# Altium PCB LimeSDR-X3_1v2.PcbDoc (part 5 of 25) (continued)
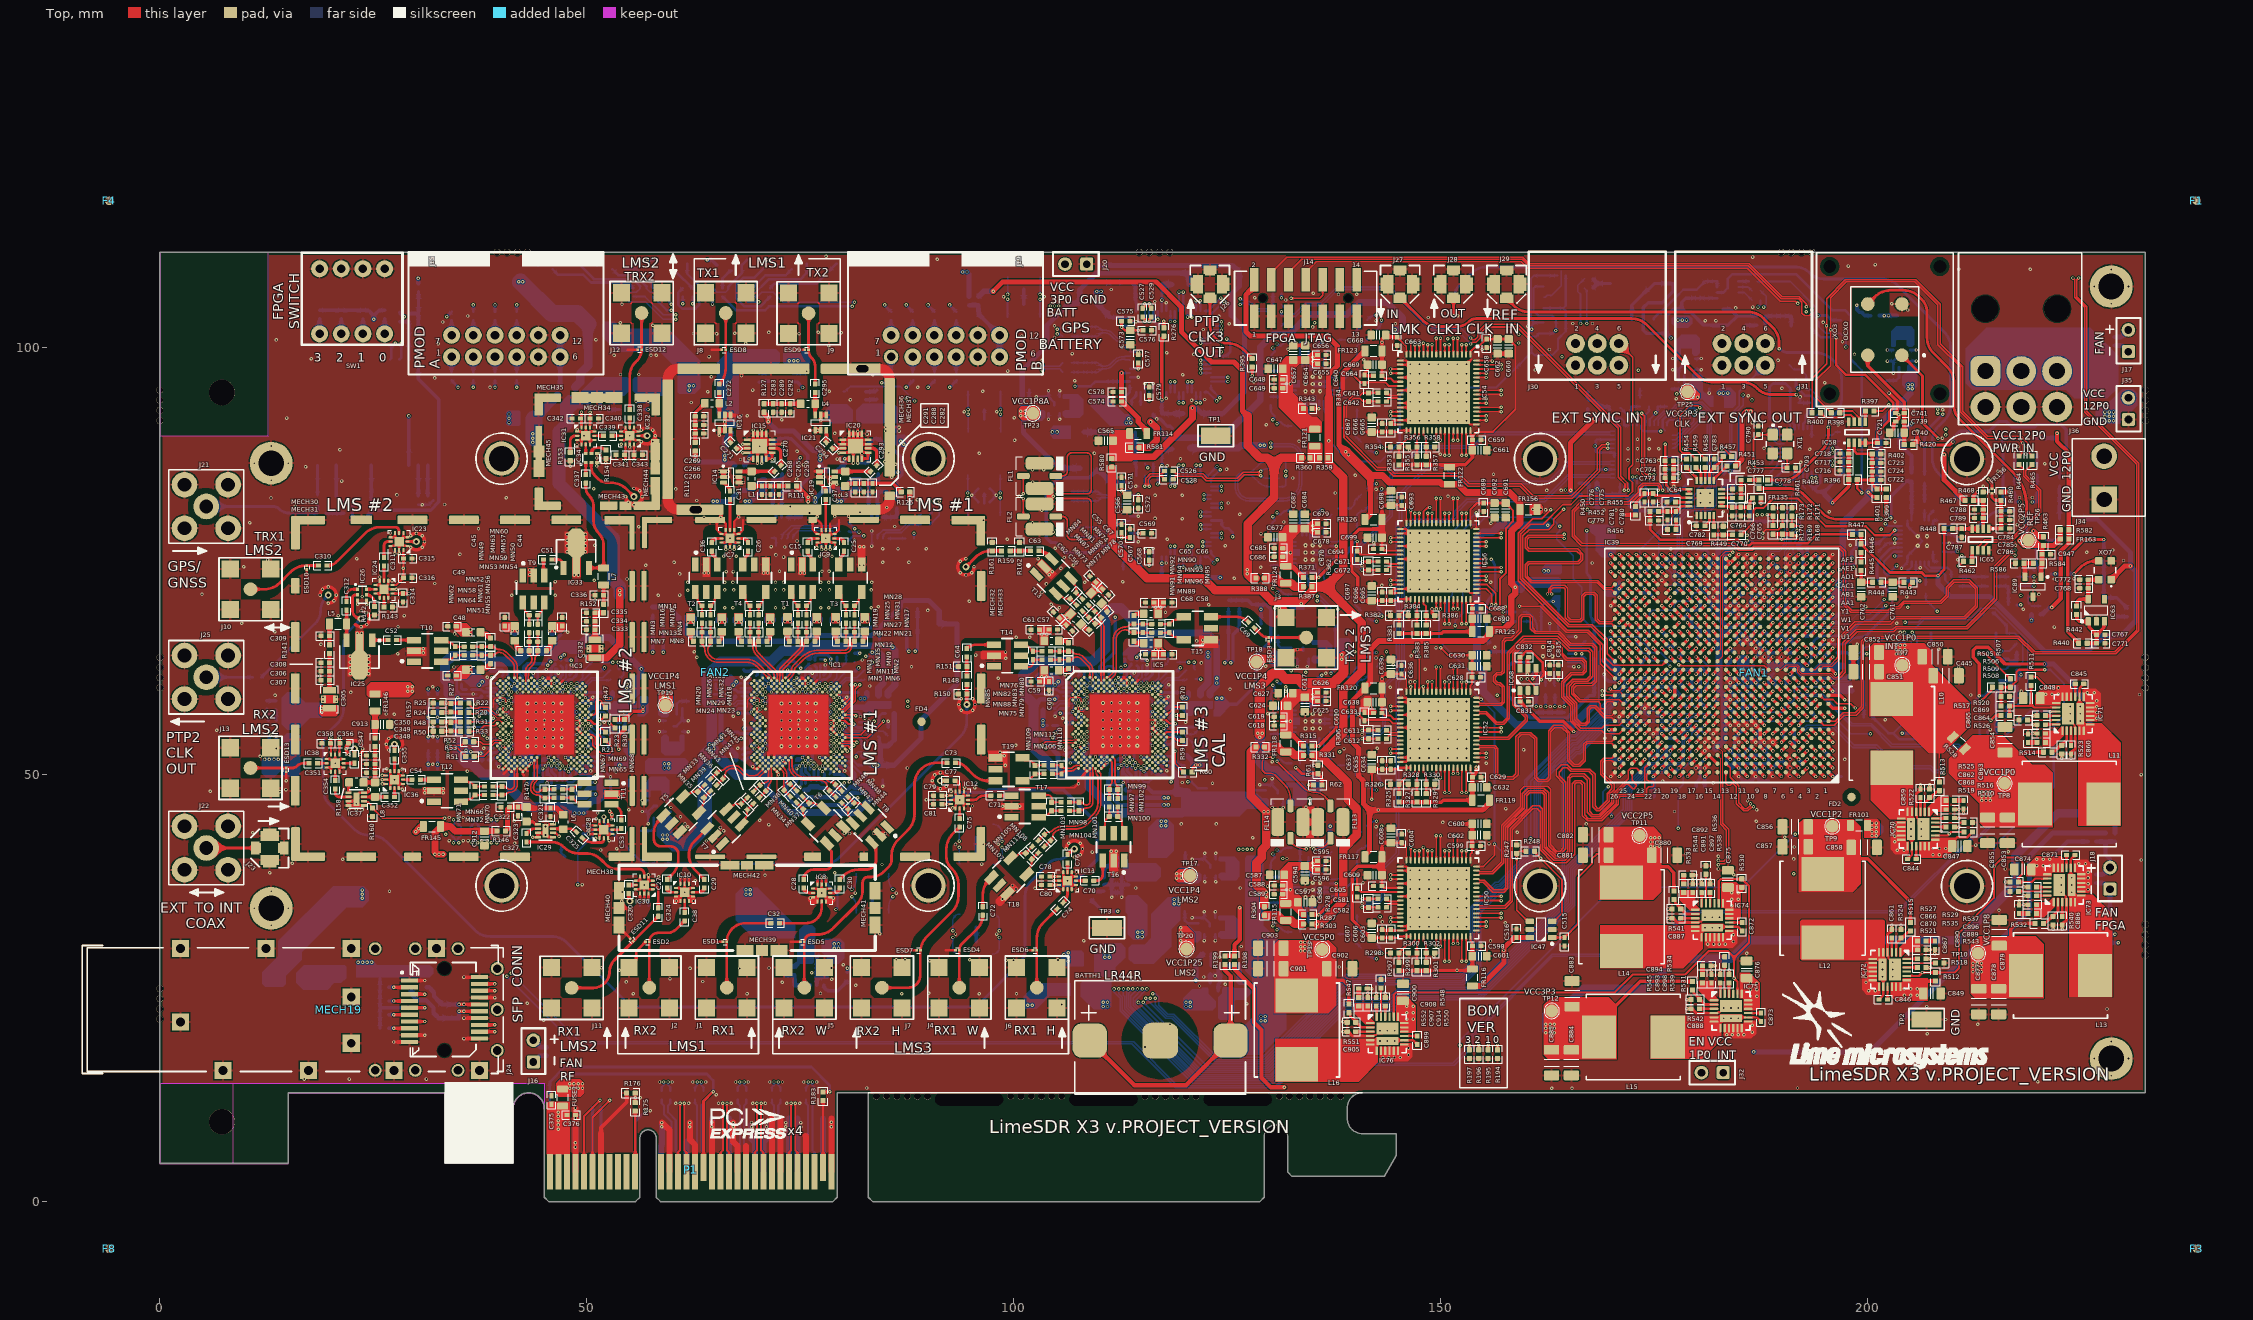
[diagram p0: Top view]
## Part data (continued)
C847 C848 C849 C874 C875 C876 C900: library part Cap_0805, Capacitance=10uF, Case/Package=0805, Case Code (Metric)=2012, Dielectric=X5R, Manufacturer=Yageo, Manufacturer Part Number 1=CC0805KKX5R8BB106, Max Operating Temperature=85°C, Min Operating Temperature=-55°C, Resistor Type=Ceramic, Supplier Part Number 1=311-1869-1-ND, Tolerance=10%, Voltage Rating=25V, Case Code (Imperial)=0805, ComponentLink1Description=http://www.mouser.com/ds/2/447/UPY-GPHC_X5R_4V-to-50V_25-1131599.pdf?src-supplier=Mouser, ComponentLink1URL=http://www.mouser.com/ds/2/447/UPY-GPHC_X5R_4V-to-50V_25-1131599.pdf?src-supplier=Mouser, ComponentLink2Description=http://www.yageo.com/documents/recent/UPY-GPHC_X5R_4V-to-50V_25.pdf?src-supplier=Digi-Key, ComponentLink2URL=http://www.yageo.com/documents/recent/UPY-GPHC_X5R_4V-to-50V_25.pdf?src-supplier=Digi-Key, Depth=1.25mm, Halogen Free="Halogen Free", Lead Free="Lead Free", Length=0.079inch, Mount="Surface Mount", Packaging="Tape and Reel", Part Description="10 µF ±10% 25V Ceramic Capacitor X5R 0805 (2012 Metric)", Pricing 1="1=0,31000, 10=0,21200, 50=0,14820, 100=0,12710, 500=0,09534, 1000=0,08050 (USD)", RoHS=Yes, RoHS Compliant=Yes, Series=CC, Stock 1=454218, Supplier 1=Digi-Key, Termination=SMD/SMT, Thickness=0.057inch, Voltage Rating (DC)=25V, Weight=0.000194oz, Width=0.049inch
C863 C865 C867: library part Cap_0402, Capacitance=1500pF, Manufacturer="Samsung Electro-Mechanics America, Inc.", Manufacturer Part Number 1=CL05B152KB5NNNC, Operating Temperature="-55°C ~ 125°C", Package / Case="0402 (1005 Metric)", Ratings=-, Supplier Part Number 1=1276-1521-1-ND, Temperature Coefficient=X7R, Tolerance=±10%, Voltage - Rated=50V, Applications="General Purpose", Category=Capacitors, Features=-, Height - Seated (Max)=-, Lead Spacing=-, Lead Style=-, Mounting Type="Surface Mount, MLCC", Packaging="Cut Tape (CT)", Part Description="1500pF ±10% 50V Ceramic Capacitor X7R 0402 (1005 Metric)", RoHS="RoHS Compliant", Size / Dimension="0.039\" L x 0.020\" W (1.00mm x 0.50mm)", Supplier 1=Digi-Key, Thickness (Max)="0.022\" (0.55mm)"
C877 C878 C879 C880 C881 C885 C903: library part Cap_1206, Capacitance Tolerance="± 20%", Ceramic Capacitor Case="1206 [3216 Metric]", Manufacturer=MURATA, Manufacturer Part Number 1=GRM31CR60J107ME39L., Supplier Part Number 1=1735535, Voltage Rating=6.3, Part Description="SMD Multilayer Ceramic Capacitor, 1206 [3216 Metric], 100 µF, 6.3 V, ± 20%, X5R, GRM Series", Supplier 1=Farnell
  C885 C903: Assembly Info=NF
C889: library part Cap_0402, Capacitance=8.2pF, Case/Package=0402, Case Code (Metric)=1005, Dielectric=C0G, Manufacturer=Samsung, Manufacturer Part Number 1=CL05C8R2DB5NNNC, Max Operating Temperature=125°C, Min Operating Temperature=-55°C, Package Quantity=1, Supplier Part Number 1=1276-1730-1-ND, Voltage Rating=50V, Case Code (Imperial)=0402, ComponentLink1Description=https://media.digikey.com/pdf/Data%20Sheets/Samsung%20PDFs/CL_Series_MLCC_ds.pdf?src-supplier=Digi-Key, ComponentLink1URL=https://media.digikey.com/pdf/Data%20Sheets/Samsung%20PDFs/CL_Series_MLCC_ds.pdf?src-supplier=Digi-Key, ComponentLink2Description=https://produktinfo.conrad.com/datenblaetter/450000-474999/458790-da-01-en-VS_KONDENSATOR_0402.pdf?src-supplier=Conrad, ComponentLink2URL=https://produktinfo.conrad.com/datenblaetter/450000-474999/458790-da-01-en-VS_KONDENSATOR_0402.pdf?src-supplier=Conrad, Depth=0.5mm, Height=0.5mm, Length=1mm, Material=Ceramic, Mount="Surface Mount", Packaging="Tape and Reel", Part Description="8.2pF ±0.5pF 50V Ceramic Capacitor C0G, NP0 0402 (1005 Metric)", Pricing 1="1=0.1, 10=0.052, 100=0.0233, 500=0.01664, 1000=0.01307, 2500=0.01188, 5000=0.01093 (USD)", Radiation Hardening=No, Stock 1=852884, Supplier 1=Digi-Key, Thickness=0.022inch, Voltage Rating (DC)=50V, Width=0.02inch
C907: library part Cap_0402, Manufacturer="Samsung Electro-Mechanics America, Inc.", Manufacturer Part Number 1=CL05C2R2CB5NNNC, Operating Temperature="-55°C ~ 125°C", Package / Case="0402 (1005 Metric)", Ratings=-, Supplier Part Number 1=1276-1271-1-ND, Temperature Coefficient="C0G, NP0", Tolerance=±0.25pF, Voltage - Rated=50V, Applications="General Purpose", Capacitance=2.2pF, Category=Capacitors, Features=-, Height - Seated (Max)=-, Lead Spacing=-, Lead Style=-, Mounting Type="Surface Mount, MLCC", Packaging="Cut Tape (CT)", Part Description="2.2pF ±0.25pF 50V Ceramic Capacitor C0G, NP0 0402 (1005 Metric)", RoHS="RoHS Compliant", Size / Dimension="0.039\" L x 0.020\" W (1.00mm x 0.50mm)", Supplier 1=Digi-Key, Thickness (Max)="0.022\" (0.55mm)"
C924 C925 C926: library part Cap_0402, Capacitance=16pF, Case/Package=0402, Case Code (Metric)=1005, Dielectric=C0G, Manufacturer=Yageo, Manufacturer Part Number 1=CC0402JRNPO9BN160, Max Operating Temperature=125°C, Min Operating Temperature=-55°C, Resistor Type=Ceramic, Supplier Part Number 1=311-1662-1-ND, Tolerance=5%, Voltage Rating=50V, Case Code (Imperial)=0402, ComponentLink1Description=http://www.mouser.com/ds/2/447/Yageo_UPY-GP_NP0_16V-to-50V_9-358835.pdf?src-supplier=Mouser, ComponentLink1URL=http://www.mouser.com/ds/2/447/Yageo_UPY-GP_NP0_16V-to-50V_9-358835.pdf?src-supplier=Mouser, ComponentLink2Description=http://www.yageo.com/documents/recent/UPY-GP_NP0_16V-to-50V_16.pdf?src-supplier=Digi-Key, ComponentLink2URL=http://www.yageo.com/documents/recent/UPY-GP_NP0_16V-to-50V_16.pdf?src-supplier=Digi-Key, Depth=0.5mm, Lead Free="Lead Free", Length=0.039inch, Mount="Surface Mount", Packaging="Tape and Reel", Part Description="16 pF ±5% 50V Ceramic Capacitor C0G, NP0 0402 (1005 Metric)", Pricing 1="1=0,10000, 10=0,03700, 50=0,02020, 100=0,01640, 500=0,01174, 1000=0,00922, 2500=0,00838, 5000=0,00771 (USD)", RoHS=Yes, RoHS Compliant=Yes, Series=CC, Stock 1=168271, Supplier 1=Digi-Key, Termination=SMD/SMT, Thickness=0.022inch, Voltage Rating (DC)=50V, Weight=2.3E-05oz, Width=0.02inch
ESD1 ESD2 ESD3 ESD4 ESD5 ESD6 ESD7 ESD8 ESD9 ESD10 ESD11 ESD12 ESD13: Capacitance @ Frequency="0.2pF @ 1MHz", Current - Peak Pulse (10/1000µs)="3A (8/20µs)", Manufacturer="ON Semiconductor", Manufacturer Part Number 1=ESD8472MUT5G, Operating Temperature="-55°C ~ 150°C (TJ)", Package / Case=2-XFDFN, Power - Peak Pulse=-, Power Line Protection=No, Supplier Device Package="2-X3DFN (0.62x0.32)", Supplier Part Number 1=ESD8472MUT5GOSCT-ND, Voltage - Breakdown (Min)=7V, Voltage - Clamping (Max) @ Ipp=14V, Voltage - Reverse Standoff (Typ)="5.3V (Max)", Applications="Automotive, RF Antenna", Assembly Info=NF, Category="Circuit Protection", ComponentLink1Description=http://www.onsemi.com/pub/Collateral/ESD8472-D.PDF, ComponentLink1URL=http://www.onsemi.com/pub/Collateral/ESD8472-D.PDF, Mounting Type="Surface Mount", Packaging="Cut Tape (CT)", Part Description="TVS DIODE 5.3VWM 14VC X3DFN2", Part Status=Active, Pricing 1="1=0.39, 10=0.315, 100=0.2142, 500=0.16068, 1000=0.12051 (USD)", RoHS="RoHS Compliant", Stock 1=2295, Supplier 1=Digi-Key, Type=Zener
ESD14: Capacitance @ Frequency="0.2pF @ 1MHz", Current - Peak Pulse (10/1000µs)="3A (8/20µs)", Manufacturer="ON Semiconductor", Manufacturer Part Number=ESD8472MUT5G, Operating Temperature="-55°C ~ 150°C (TJ)", Package / Case=2-XFDFN, Power - Peak Pulse=-, Power Line Protection=No, Supplier Device Package="2-X3DFN (0.62x0.32)", Supplier Part Number 1=ESD8472MUT5GOSCT-ND, Voltage - Breakdown (Min)=7V, Voltage - Clamping (Max) @ Ipp=14V, Voltage - Reverse Standoff (Typ)="5.3V (Max)", Applications="Automotive, RF Antenna", Assembly Info=NF, Category="Circuit Protection", ComponentLink1Description=http://www.onsemi.com/pub/Collateral/ESD8472-D.PDF, ComponentLink1URL=http://www.onsemi.com/pub/Collateral/ESD8472-D.PDF, Manufacturer Part Number 1=ESD8472MUT5G, Mounting Type="Surface Mount", Packaging="Cut Tape (CT)", Part Description="TVS DIODE 5.3VWM 14VC X3DFN2", Part Status=Active, Pricing 1="1=0.39, 10=0.315, 100=0.2142, 500=0.16068, 1000=0.12051 (USD)", RoHS="RoHS Compliant", Stock 1=2295, Supplier 1=Digi-Key, Type=Zener
FAN1 FAN2: library part 12V_DC_FAN, Manufacturer=Sunon, Manufacturer Part Number 1=HA60151V4-1000U-A99, Supplier Part Number 1=259-1792-ND, ComponentLink1Description=http://www.orionfans.com/media/parts/dcfans/OD6025%20Final.pdf, ComponentLink1URL=http://www.orionfans.com/media/parts/dcfans/OD6025%20Final.pdf, ComponentLink2Description=http://www.sunon.com/uFiles/file/03_products/08-catalog%20download/Sunon%20DC%20Brushless%20Fan%20&amp;%20Blower_(240-E).pdf?src-supplier=Digi-Key, ComponentLink2URL=http://www.sunon.com/uFiles/file/03_products/08-catalog%20download/Sunon%20DC%20Brushless%20Fan%20&amp;%20Blower_(240-E).pdf?src-supplier=Digi-Key, Part Description="Fan Tubeaxial 12VDC Square - 60mm L x 60mm H Vapo-Bearing™ 12.7 CFM (0.356m³/min) 2 Wire Leads", Pricing 1="1=6,04000, 10=5,53300, 25=5,03000, 50=4,65260, 100=4,14960, 250=3,96096, 500=3,70948 (USD)", RoHS=Yes, Stock 1=93, Supplier 1=Digi-Key
FL1 FL2 FL3 FL4 FL5 FL6 FL7 FL8 FL9 FL10 FL11 FL12 FL13 FL14 FL15 FL16: library part LFCV-52+_LPF, Manufacturer="Mini Circuits", Manufacturer Part Number 1=LFCV-52+, Part Description="Ceramic Low Pass Filter, 50?, DC to 52 MHz", Supplier 1="Mini Circuits", Supplier Part Number 1=LFCV-52+
FR1 FR2 FR3 FR4 FR5 FR6 FR7 FR8 FR9 FR10 FR11 FR12 FR13 FR14 FR15 FR16 FR17 FR18 FR19 FR20 FR21 FR22 FR23 FR24 FR25 FR26 FR27 FR28 FR29 FR30 FR31 FR32 FR33 FR34 FR35 FR36 FR37 FR38 FR39 FR40 FR41 FR42 FR43 FR44 FR45 FR46 FR47 FR48 FR49 FR50 FR51 FR52 FR53 FR54 FR55 FR56 FR57 FR58 FR59 FR60 FR61 FR62 FR63 FR64 FR65 FR66 FR67 FR68 FR69 FR70 FR71 FR72 FR73 FR74 FR75 FR76 FR77 FR78 FR79 FR80 FR81 FR82 FR83 FR84 FR85 FR86 FR87 FR88 FR89 FR90 FR91 FR92 FR93 FR94 FR95 FR96 FR97 FR98 FR99: library part Ferrite, Current Rating=270mA, DC Resistance (DCR)="750 mOhm Max", Impedance @ Frequency="600 Ohm @ 100MHz", Manufacturer="Taiyo Yuden", Manufacturer Part Number 1=BK0603TS601-T, Package / Case="0201 (0603 Metric)", Supplier Part Number 1=587-3277-1-ND, Category=Filters, Filter Type="Differential Mode - Single", Height (Max)="0.013\" (0.33mm)", Mounting Type="Surface Mount", Packaging="Cut Tape (CT)", Part Description="FERRITE BEAD 600 OHM 0201 1LN", RoHS="RoHS Compliant", Size / Dimension="0.024\" L x 0.012\" W (0.60mm x 0.30mm)", Supplier 1=Digi-Key
FR100 FR101 FR102 FR103 FR105 FR106 FR107 FR108 FR109 FR110 FR111 FR112 FR113 FR114 FR115 FR116 FR117 FR118 FR119 FR120 FR121 FR122 FR123 FR124 FR125 FR126 FR127 FR128 FR129 FR130 FR131 FR132 FR139 FR140 FR142 FR143 FR144 FR145 FR146 FR147 FR148 FR149 FR150 FR151 FR152 FR153 FR154 FR155 FR156 FR157 FR158 FR159 FR160 FR161 FR162: library part Ferrite, Current Rating=2A, DC Resistance (DCR)="100 mOhm Max", Impedance @ Frequency="600 Ohm @ 100MHz", Manufacturer="TDK Corporation", Manufacturer Part Number 1=MPZ2012S601AT000, Package / Case="0805 (2012 Metric)", Supplier Part Number 1=445-2206-2-ND, Category=Filters, Filter Type="Differential Mode - Single", Height (Max)="0.041\" (1.05mm)", Mounting Type="Surface Mount", Packaging="Tape & Reel (TR)", Part Description="FERRITE BEAD 600 OHM 0805 1LN", RoHS="RoHS Compliant", Size / Dimension="0.079\" L x 0.049\" W (2.00mm x 1.25mm)", Supplier 1=Digi-Key
  FR156 FR157 FR161: Assembly Info=NF
FR104 FR133 FR134 FR135 FR137 FR138 FR163: Case/Package=0402, Case Code (Metric)=1005, Current Rating=500mA, DC Resistance (DCR)=340mR, Manufacturer=Murata, Manufacturer Part Number 1=BLM15AX601SN1D, Max Operating Temperature=125°C, Min Operating Temperature=-55°C, Package Quantity=1, Supplier Part Number 1=490-5441-1-ND, Test Frequency=100MHz, Tolerance=25%, Case Code (Imperial)=0402, ComponentLink1Description=https://www.murata.com/en-us/products/productdata/8796740059166/ENFA0018.pdf?src-supplier=Digi-Key, ComponentLink1URL=https://www.murata.com/en-us/products/productdata/8796740059166/ENFA0018.pdf?src-supplier=Digi-Key, ComponentLink2Description=http://search.murata.co.jp/Ceramy/image/img/PDF/ENG/L0110S0100BLM15AX_SN.pdf?src-supplier=Future+Electronics, ComponentLink2URL=http://search.murata.co.jp/Ceramy/image/img/PDF/ENG/L0110S0100BLM15AX_SN.pdf?src-supplier=Future+Electronics, ComponentLink3Description=http://www.produktinfo.conrad.com/datenblaetter/1100000-1199999/001171675-da-01-en-CHIP_DROSSEL0402_600R_420MA_1_0X0_5MM.pdf?src-supplier=Conrad, ComponentLink3URL=http://www.produktinfo.conrad.com/datenblaetter/1100000-1199999/001171675-da-01-en-CHIP_DROSSEL0402_600R_420MA_1_0X0_5MM.pdf?src-supplier=Conrad, ComponentLink4Description=http://www.produktinfo.conrad.com/datenblaetter/1100000-1199999/001172169-da-01-en-DROSSEL_0402_600R_1_0X0_5MM_10000ST.pdf?src-supplier=Conrad, ComponentLink4URL=http://www.produktinfo.conrad.com/datenblaetter/1100000-1199999/001172169-da-01-en-DROSSEL_0402_600R_1_0X0_5MM_10000ST.pdf?src-supplier=Conrad, Core Material=Ferrite, DC Resistance-Max=340mR, Depth=0.5mm, Height=0.5mm, Impedance=600R, Lead Free="Lead Free", Length=1mm, Material=Steel,Ferrite, Max Current Rating=500mA, Max DC Current=500mA, Number of Circuits=1, Number of Lines=1, Number of Pins=2, Packaging="Tape and Reel", Part Description="- Ferrite Bead 0402 (1005 Metric) 500mA 340mOhm", Pricing 1="1=0.1, 10=0.06, 25=0.0552, 50=0.0496, 100=0.0363, 250=0.0264, 500=0.0242, 1000=0.0209, 5000=0.0165 (USD)", REACH SVHC="No SVHC", RoHS Compliant=Yes, Series=BLM15AX_SN, Stock 1=416370, Supplier 1=Digi-Key, Termination=SMD/SMT, Width=0.5mm
  FR163: Assembly Info=NF
FR136 FR141: Current Rating=270mA, DC Resistance (DCR)="750 mOhm Max", Impedance @ Frequency="600 Ohm @ 100MHz", Manufacturer="Taiyo Yuden", Manufacturer Part Number 1=BK0603TS601-T, Package / Case="0201 (0603 Metric)", Supplier Part Number 1=587-3277-1-ND, Category=Filters, Filter Type="Differential Mode - Single", Height (Max)="0.013\" (0.33mm)", Mounting Type="Surface Mount", Packaging="Cut Tape (CT)", Part Description="FERRITE BEAD 600 OHM 0201 1LN", RoHS="RoHS Compliant", Size / Dimension="0.024\" L x 0.012\" W (0.60mm x 0.30mm)", Supplier 1=Digi-Key
FUSE1 FUSE2 R528 R546 R549: library part Res_0402, Manufacturer="Vishay Dale", Manufacturer Part Number 1=CRCW08050000Z0EA, Operating Temperature="-55°C ~ 155°C", Package / Case="0805 (2012 Metric)", Power (Watts)="0.125W, 1/8W", Resistance (Ohms)=0.0, Supplier Part Number 1=541-0.0ATR-ND, Temperature Coefficient=-, Tolerance=Jumper, Category=Resistors, Composition="Thick Film", Features="Automotive AEC-Q200", Height="0.020\" (0.50mm)", Number of Terminations=2, Packaging="Tape & Reel (TR)", Part Description="RES SMD 0.0 OHM JUMPER 1/8W 0805", RoHS="RoHS Compliant", Size / Dimension="0.079\" L x 0.049\" W (2.00mm x 1.25mm)", Supplier 1=Digi-Key, Supplier Device Package="0805 (2012 Metric)"
  FUSE1 R528 R546: Assembly Info=NF
IC1 IC3 IC5: library part LMS7002Mr4, "Schematic symbol revision 4. Default footprint - 0.31mm pad", Manufacturer="Lime Microsystems", Manufacturer Part Number 1=LMS7002M, Part Description="IC FPRF Transceiver LMS7002M; 261 pin aQFN", Supplier 1="Lime Microsystems", Supplier Part Number 1=LMS7002M
IC2 IC4 IC6 IC43: library part 24FC64F, Base Part Number=CAT24C128, Manufacturer="ON Semiconductor", Operating Temperature="-40°C ~ 85°C (TA)", Package / Case="8-SOIC (0.154\", 3.90mm Width)", Supplier Device Package=8-SOIC, Supplier Part Number 1=CAT24C128WI-GT3CT-ND, Voltage - Supply="1.8 V ~ 5.5 V", Category="Integrated Circuits (ICs)", ComponentLink1Description=http://www.onsemi.com/pub/Collateral/CAT24C128-D.PDF, ComponentLink1URL=http://www.onsemi.com/pub/Collateral/CAT24C128-D.PDF, Manufacturer Part Number 1=CAT24C128WI-GT3, Memory Format=EEPROM, Memory Interface=I²C, Memory Size="128Kb (16K x 8)", Memory Type=Non-Volatile, Mounting Type="Surface Mount", Packaging="Cut Tape (CT)", Part Description="EEPROM Memory IC 128Kb (16K x 8) I²C 1MHz 400ns 8-SOIC", Part Status=Active, Pricing 1="1=0.31, 10=0.309, 100=0.2532, 500=0.24616, 1000=0.23956 (USD)", RoHS="RoHS Compliant", Stock 1=14804, Supplier 1=Digi-Key, Technology=EEPROM, Write Cycle Time - Word, Page=5ms
IC7 IC8 IC9 IC10 IC11 IC12 IC23 IC24 IC28 IC30 IC31 IC32 IC36 IC38: Frequency - Lower=100MHz, Insertion Loss @ Frequency="0.9dB @ 6GHz", Isolation @ Frequency="17dB @ 6GHz (typ)", Manufacturer="Peregrine Semiconductor", Manufacturer Part Number 1=PE42422MLAA-Z, Operating Temperature="-40°C ~ 85°C", Package / Case="12-UFQFN Exposed Pad", Supplier Device Package="12-QFN (2x2)", Supplier Part Number 1=1046-1062-1-ND, Voltage - Supply="2.3 V ~ 5.5 V", Category="RF/IF and RFID", Circuit=SPDT, ComponentLink1Description=http://www.psemi.com/pdf/datasheets/pe42422ds.pdf, ComponentLink1URL=http://www.psemi.com/pdf/datasheets/pe42422ds.pdf, Features=-, IIP3="70dBm (typ)", Impedance="50 Ohm", P1dB=-, Packaging="Cut Tape (CT)", Part Description="IC RF SWITCH SPDT 50 OHM 12QFN", Part Status=Active, Pricing 1="1=1.32, 101=0.92 (USD)", RF Type="General Purpose", RoHS="RoHS Compliant", Stock 1=21993, Supplier 1=Digi-Key, Topology=Reflective
IC13 IC18 IC27 IC35: library part TPS22918, Case/Package=SOT-23-6, Manufacturer="Texas Instruments", Manufacturer Part Number 1=TPS22917DBVR, Max Operating Temperature=125°C, Max Output Current=2A, Min Operating Temperature=-40°C, Supplier Part Number 1=296-50498-1-ND, ComponentLink1Description=http://www.ti.com/lit/ds/symlink/tps22918.pdf, ComponentLink1URL=http://www.ti.com/lit/ds/symlink/tps22918.pdf, ComponentLink2Description=http://www.ti.com/lit/ds/symlink/tps22917.pdf?src-supplier=Digi-Key, ComponentLink2URL=http://www.ti.com/lit/ds/symlink/tps22917.pdf?src-supplier=Digi-Key, Fault Protection="Reverse Current", Interface=On/Off, Number of Channels=1, Number of Outputs=1, Output Configuration="High Side", Packaging="Cut Tape", Part Description="Power Switch/Driver 1:1 P-Channel 2A SOT-23-6", Pricing 1="1=0,64, 10=0,545, 25=0,5084, 100=0,4066, 250=0,3776, 500=0,3195, 1000=0,24689 (USD)", RoHS=Yes, RoHS Compliant=Yes, Series=-, Stock 1=29778, Supplier 1=Digi-Key
IC14 IC16 IC19 IC21: library part QPA4563A_RF_amplifier, Manufacturer=Qorvo, Manufacturer Part Number 1=QPA4563ATR7, Supplier Part Number 1=772-QPA4563ATR7, Part Description="RF Amplifier DC-3.5GHZ NF 2.5dB Gain 20.4dB", Pricing 1="1=2,72000, 10=2,72000, 50=1,97000, 100=1,60000, 1000=0,89000, 10000=0,88700 (USD)", RoHS=Yes, RoHS Compliant=Yes, Stock 1=25830, Supplier 1=Mouser
IC15 IC20: library part F2258NLGK8_RF_attenuator, Manufacturer=IDT, Supplier Part Number 1=972-F2258NLGK8, ComponentLink1Description=http://www.mouser.com/ds/2/464/IDT_F2258_DST_20170130-883648.pdf?src-supplier=Mouser, ComponentLink1URL=http://www.mouser.com/ds/2/464/IDT_F2258_DST_20170130-883648.pdf?src-supplier=Mouser, Lead Free="Lead Free", Length=3mm, Manufacturer Part Number 1=F2258NLGK8, Number of Pins=16, Part Description="Attenuators RF Attenuator 1.4dB 50 to 6000 MHz", RoHS=Yes, RoHS Compliant=Yes, Stock 1=0, Supplier 1=Mouser, Thickness=1mm, Width=3mm
IC17 IC22 IC58 IC61 IC65: Manufacturer="Analog Devices Inc.", Manufacturer Part Number 1=AD5662BRJZ-2REEL7, Operating Temperature="-40°C ~ 125°C", Package / Case=SOT-23-8, Supplier Part Number 1=AD5662BRJZ-2REEL7CT-ND, Voltage - Supply, Analog="2.7 V ~ 5.5 V", Architecture="String DAC", Category="Integrated Circuits (ICs)", ComponentLink1Description=http://www.analog.com/media/en/technical-documentation/data-sheets/AD5662.pdf, ComponentLink1URL=http://www.analog.com/media/en/technical-documentation/data-sheets/AD5662.pdf, Data Interface="SPI, DSP", Differential Output=No, INL/DNL (LSB)="±8, ±1 (Max)", Number of Bits=16, Number of D/A Converters=1, Output Type="Voltage - Buffered", Packaging="Cut Tape (CT)", Part Description="IC DAC 16BIT BUFF V-OUT SOT23-8", Part Status=Active, Pricing 1="1=7.55, 10=6.821, 100=5.6469, 500=4.91722, 1000=4.28274 (USD)", Reference Type=External, RoHS="RoHS Compliant", Settling Time=10µs, Stock 1=2784, Supplier 1=Digi-Key, Supplier Device Package=SOT-23-8, Voltage - Supply, Digital="2.7 V ~ 5.5 V"
IC25 IC33: library part PGA-102+_PA, Manufacturer=Qorvo, Supplier Part Number 1=772-TQP369182, Manufacturer Part Number 1=TQP369182, Part Description="RF Amplifier DC-6GHz NF 3.9dB Gain 21.3dB 50 Ohm", Supplier 1=Mouser
IC26 IC34: library part DC2337J5020AHF_coupler, Manufacturer=Anaren, Supplier Part Number 1=1173-1090-2-ND, Manufacturer Part Number 1=DC2337J5020AHF, Part Description="RF Directional Coupler General Purpose 2.3GHz ~ 3.7GHz 21.3dB 2W 0805 (2012 Metric)", Supplier 1=Digi-Key
IC29 IC37: Manufacturer=Qorvo, Supplier Part Number 1=772-TQL9092, Manufacturer Part Number 1=TQL9092, Part Description="RF Amplifier .6-4.2GHz NF .6dB Flat Gain 2dB", Supplier 1=Mouser
IC39: "Artix-7 FPGA, 400 User I/Os, 8 GTP, 676-Ball BGA, Speed Grade 2, Commercial Grade, Pb-Free", Case/Package=FCBGA, Manufacturer=Xilinx, Max Operating Temperature=85°C, Max Supply Voltage=1.05V, Min Operating Temperature=0°C, Min Supply Voltage=950mV, Supplier Part Number 1=122-1865-ND, ComponentLink1Description="Manufacturer URL", ComponentLink1URL=http://www.xilinx.com/, ComponentLink2Description=Datasheet, ComponentLink2URL=http://www.xilinx.com/support/documentation/data_sheets/ds180_7Series_Overview.pdf, ComponentLink3Description="Package Specification", ComponentLink3URL=http://www.xilinx.com/support/documentation/user_guides/ug475_7Series_Pkg_Pinout.pdf, ComponentLink4Description="DC and Switching Characteristics", ComponentLink4URL=http://www.xilinx.com/support/documentation/data_sheets/ds181_Artix_7_Data_Sheet.pdf, ComponentLink5Description="Package File", ComponentLink5URL=http://www.xilinx.com/support/packagefiles/a7packages/xc7a200tfbg676pkg.txt, ComponentLink6Description="Packaging and Pinout", ComponentLink6URL=http://www.xilinx.com/support/documentation/user_guides/ug475_7Series_Pkg_Pinout.pdf, ComponentLink7Description=https://datasheet.ciiva.com/15066/ds181-artix-7-data-sheet-15066344.pdf?src-supplier=Digi-Key, ComponentLink7URL=https://datasheet.ciiva.com/15066/ds181-artix-7-data-sheet-15066344.pdf?src-supplier=Digi-Key, ComponentLink8Description=https://datasheet.ciiva.com/48475/ds180-7series-overview-48475947.pdf?src-supplier=Avnet, ComponentLink8URL=https://datasheet.ciiva.com/48475/ds180-7series-overview-48475947.pdf?src-supplier=Avnet, Contact Plating=Copper,Tin,Silver, Manufacturer Part Number 1=XC7A200T-2FBG676C, Memory Size=1GB, Memory Type=DDR3, Number of I/Os=400, Number of Logic Blocks (LABs)=16825, Number of Logic Elements/Cells=215360, Number of Pins=676, Number of Registers=269200, Part Description="IC FPGA 400 I/O 676FCBGA", Pricing 1="1=261,30000 (USD)", RAM Size=13455360b, RoHS=Yes, Speed Grade=-2, Stock 1=124, Supplier 1=Digi-Key
IC40: library part M25P40_with_pad, Case/Package=SOIC, Frequency=133MHz, Manufacturer="Micron Technology", Manufacturer Part Number 1=MT25QL128ABA1ESE-0SITTR, Max Operating Temperature=85°C, Min Operating Temperature=-40°C, Supplier Part Number 1=557-1772-1-ND, Assembly Info=NF, Memory Size=128Mb, Memory Type=Non-Volatile,FLASH, Mount="Surface Mount", Number of Pins=8, Packaging="Tape and Reel", Part Description="FLASH - NOR Memory IC 128Mb (16M x 8) SPI 133MHz  8-SO", Pricing 1="1=2.67, 10=2.401, 25=2.3632, 50=2.357, 100=2.1061, 250=2.03764, 500=2.03006 (USD)", Stock 1=4313, Supplier 1=Digi-Key
IC41: library part S25FL032P, Case/Package=SOIC, Frequency=104MHz, Manufacturer=Macronix, Manufacturer Part Number 1=MX25L25635FMI-10G, Max Operating Temperature=85°C, Min Operating Temperature=-40°C, Operating Supply Voltage=3.6V, Package Quantity=44, Supplier Part Number 1=1092-1149-ND, Density=256Mb, Interface=SPI,Serial, Lead Free="Lead Free", Max Frequency=104MHz, Memory Type=FLASH,NOR, Number of Pins=16, Packaging=Rail/Tube, Part Description="FLASH - NOR Memory IC 256Mb (32M x 8) SPI 104MHz  16-SOP", Pricing 1="1=4.09, 528=3.11068 (USD)", Stock 1=19945, Supplier 1=Digi-Key
IC42: Manufacturer="NXP Semiconductors", Manufacturer Part Number 1=LM75BTP,147, Operating Temperature="-55°C ~ 125°C", Package / Case="8-WFDFN Exposed Pad", Sensing Temperature - Remote=-, Supplier Device Package="8-HWSON (2x3)", Supplier Part Number 1=568-9815-2-ND, Voltage - Supply="2.8 V ~ 5.5 V", Accuracy - Highest (Lowest)="±2°C (±3°C)", Category="Sensors, Transducers", Features="Output Switch, Programmable Limit, Shutdown Mode", Output Type=I²C, Packaging="Tape & Reel (TR)", Part Description="SENSOR TEMPERATURE I2C 8HWSON", Resolution="10 b", RoHS="RoHS Compliant", Sensing Temperature - Local="-55°C ~ 125°C", Sensor Type="Digital, Local", Supplier 1=Digi-Key, Test Condition="-25°C ~ 100°C (-55°C ~ 125°C)"
IC44: library part ATECC508A_authentication_IC, Manufacturer=Microchip, Manufacturer Part Number 1=ATECC508A-MAHDA-S, Supplier Part Number 1=ATECC508A-MAHDA-SDKR-ND, Part Description="Authentication Chip IC Networking and Communications 8-UDFN (2x3)", Pricing 1="1=0.73, 25=0.7064 (USD)", Stock 1=27941, Supplier 1=Digi-Key
IC45: library part ATECC508A_authentication_IC, Base Part Number=ATECC508, Manufacturer="Microchip Technology", Manufacturer Part Number 1=ATECC508A-SSHDA-T, Package / Case="8-SOIC (0.154\", 3.90mm Width)", Supplier Device Package=8-SOIC, Supplier Part Number 1=ATECC508A-SSHDA-TCT-ND, Applications="Networking and Communications", Assembly Info=NF, Category="Integrated Circuits (ICs)", Mounting Type="Surface Mount", Packaging="Cut Tape (CT)", Part Description="Authentication Chip IC Networking and Communications 8-SOIC", Part Status=Active, RoHS="RoHS Compliant", Supplier 1=Digi-Key, Type="Authentication Chip"
IC46: library part NEO-M8P_M8M, "GNSS engine for GPS/QZSS, GLONASS", Manufacturer="RF channe;", ComponentLink1Description=https://www.u-blox.com/en/product/neo-7-series, ComponentLink1URL=https://www.u-blox.com/en/product/neo-7-series, ComponentLink2Description=Datasheet, ComponentLink3Description=https://www.u-blox.com/sites/default/files/NEO-M8-FW3_DataSheet_(UBX-15031086).pdf, ComponentLink3URL=https://www.u-blox.com/sites/default/files/NEO-M8-FW3_DataSheet_(UBX-15031086).pdf, Manufacturer Part Number 1="LYNQ N20B", Part Description="GNSS engine for GPS/QZSS, GLONASS receiver", Supplier 1="Lime Microsystems", Supplier Part Number 1="LYNQ N20B"
IC47 IC68: Manufacturer="Texas Instruments", Manufacturer Part Number 1=SN74AVC1T45DBVR, Package / Case=SOT-23-6, Supplier Part Number 1=296-19094-1-ND, Voltage - Supply="1.2 V ~ 3.6 V", Category="Integrated Circuits (ICs)", Data Rate=500Mbps, Part Description="Voltage Level Translator Bidirectional 1 Circuit 1 Channel 500Mbps SOT-23-6", Supplier 1=Digi-Key
IC48 IC49: library part MAX5878EGK, Case/Package=QFN, Manufacturer=Maxim, Manufacturer Part Number 1=MAX5878EGK+D, Max Operating Temperature=85°C, Max Power Dissipation=331mW, Max Supply Voltage=3.465V, Min Operating Temperature=-40°C, Min Supply Voltage=3.135V, Package Quantity=30, Supplier Part Number 1=MAX5878EGK+D-ND, ComponentLink1Description=https://datasheet.ciiva.com/1399/max5878-1399152.pdf?src-supplier=Digi-Key, ComponentLink1URL=https://datasheet.ciiva.com/1399/max5878-1399152.pdf?src-supplier=Digi-Key, ComponentLink2Description=https://datasheet.ciiva.com/16604/max5878-16604848.pdf?src-supplier=Avnet+Europe, ComponentLink2URL=https://datasheet.ciiva.com/16604/max5878-16604848.pdf?src-supplier=Avnet+Europe, ComponentLink3Description=https://datasheet.ciiva.com/12285/max5878-106739-12285938.pdf?src-supplier=Mouser, ComponentLink3URL=https://datasheet.ciiva.com/12285/max5878-106739-12285938.pdf?src-supplier=Mouser, ComponentLink4Description=https://datasheet.ciiva.com/26805/max5878egk-d-26805730.pdf?src-supplier=IIIC, ComponentLink4URL=https://datasheet.ciiva.com/26805/max5878egk-d-26805730.pdf?src-supplier=IIIC, ComponentLink5Description=https://datasheet.ciiva.com/14250/max5878-14250858.pdf?src-supplier=Avnet, ComponentLink5URL=https://datasheet.ciiva.com/14250/max5878-14250858.pdf?src-supplier=Avnet, Conversion Rate=250MS/s, Integral Nonlinearity (INL)=3LSB, Interface=Parallel,LVDS, Mount="Surface Mount", Number of Bits=16, Number of Converters=2, Number of DAC Channels=2, Number of Pins=68, Packaging=Rail/Tube, Part Description="16 Bit Digital to Analog Converter 2 68-QFN-EP (10x10)", Pricing 1="1=23,84000, 10=21,99000, 25=21,00200, 100=20,44800 (USD)", Radiation Hardening=No, REACH SVHC=Unknown, Resolution=16b, RoHS=Yes, Sampling Rate=250000000S/s, Settling Time=14ns, Stock 1=52, Supplier 1=Digi-Key, Supply Type=Analog,Digital
IC50 IC52 IC54 IC56: "14-Bit 160 MSPS Dual Low Power ADC, -40 to 85 degC, 64-pin QFN (RGC64), Green (RoHS & no Sb/Br)", Analog Voltage AV/DD(Max)(V)=1.9, Analog Voltage AV/DD(Min)(V)=1.7, Manufacturer="Texas Instruments", Manufacturer Part Number 1=ADS4246IRGCT, Operating Temperature="-40°C ~ 85°C", Package / Case="64-VFQFN Exposed Pad", Supplier Device Package="64-VQFN (9x9)", Supplier Part Number 1=296-28772-1-ND, Voltage - Supply, Analog="1.7 V ~ 1.9 V", # Input Channels=2, Architecture=Pipelined, Category="Integrated Circuits (ICs)", ComponentLink1Description=http://www.ti.com/lit/ds/symlink/ads4246.pdf, ComponentLink1URL=http://www.ti.com/lit/ds/symlink/ads4246.pdf, ComponentLink2Description=Datasheet, ComponentLink2URL=http://www.ti.com/general/docs/lit/getliterature.tsp?genericPartNumber=ADS4246&fileType=pdf, ComponentLink3Description="Package Specification", ComponentLink3URL=http://www.ti.com/litv/pdf/mpqf125e, Configuration=S/H-ADC, Data Interface="LVDS - Parallel, Parallel", DatasheetVersion=SBAS533C, Digital Supply(Max)(V)=1.9, Digital Supply(Min)(V)=1.7, Eco-Plan="Green (RoHS & no Sb/Br)", ENOB(Bits)=11.5, Features="Simultaneous Sampling", INL(Max)(+/-LSB)=5, Input Type=Differential, Interface="Parallel CMOS, Parallel LVDS", Mounting Technology="Surface Mount", Number of A/D Converters=2, Number of Bits=14, Number of Inputs=2, PackageDescription="64-Pin Plastic Quad Flatpack No-Lead, Body 9 x 9 mm, Pitch 0.5 mm", PackageReference=RGC64-7400X7400TP, PackageVersion="4204106/F, 11/2011", Packaging="Cut Tape (CT)", Part Description="14 Bit Analog to Digital Converter 2 Input 2 Pipelined 64-VQFN (9x9)", PartNumber=ADS4246IRGCR, Part Status=Active, Pricing 1="1=95.91, 10=90.96, 100=82.2967 (USD)", Ratio - S/H:ADC=1:1, Reference Type=Internal, Resolution(Bits)=14, RoHS="RoHS Compliant", Sample Rate (max)(SPS)=160M, Sampling Rate (Per Second)=160M, SFDR(dB)=86, SINAD(dB)=72.6, SNR(dB)=72.8, Stock 1=83, SubFamily="High Speed ADC (>10MSPS)", Supplier 1=Digi-Key, Supplier 2=Mouser, Supplier Part Number 2=595-ADS8372IBRHPTG4, Voltage - Supply, Digital="1.7 V ~ 1.9 V"
IC51 IC53 IC55 IC57: Current - Input Bias=23µA, Current - Output / Channel=30mA, Current - Supply=34mA, Manufacturer="Analog Devices Inc.", Manufacturer Part Number 1=ADA4930-2YCPZ-R7, Operating Temperature="-40°C ~ 105°C", Package / Case="24-VFQFN Exposed Pad, CSP", Supplier Device Package="24-LFCSP-VQ (4x4)", Supplier Part Number 1=ADA4930-2YCPZ-R7CT-ND, Voltage - Input Offset=150µV, Voltage - Supply, Single/Dual (±)="3.3V, 5V", -3db Bandwidth=1.35GHz, Amplifier Type=Differential, Category="Integrated Circuits (ICs)", Gain Bandwidth Product=-, Mounting Type="Surface Mount", Number of Circuits=2, Output Type=Differential, Packaging="Cut Tape (CT)", Part Description="Differential Amplifier 2 Circuit Differential 24-LFCSP-WQ (4x4)", RoHS="RoHS Compliant", Slew Rate="3400 V/µs", Supplier 1=Digi-Key
IC59: library part CDCM61004RHB_CLK_GEN, Case/Package=VQFN, Frequency=683.28MHz, Input Current=200mA, Manufacturer="Texas Instruments", Manufacturer Part Number 1=CDCM61004RHBT, Max Frequency=683.27MHz, Max Operating Temperature=85°C, Max Supply Current=65mA, Max Supply Voltage=3.6V, Min Operating Temperature=-40°C, Min Supply Voltage=3V, Nominal Supply Current=215mA, Operating Supply Current=108mA, Operating Supply Voltage=3.3V, Package Quantity=1, Supplier Part Number 1=296-24194-1-ND, ComponentLink1Description=https://datasheet.ciiva.com/6677/cdcm61004-6677168.pdf?src-supplier=Digi-Key, ComponentLink1URL=https://datasheet.ciiva.com/6677/cdcm61004-6677168.pdf?src-supplier=Digi-Key, ComponentLink2Description=https://datasheet.ciiva.com/14247/cdcm61004-14247059.pdf?src-supplier=Avnet, ComponentLink2URL=https://datasheet.ciiva.com/14247/cdcm61004-14247059.pdf?src-supplier=Avnet, ComponentLink3Description=https://datasheet.ciiva.com/1138/1781794-1138868.pdf?src-supplier=Element14, ComponentLink3URL=https://datasheet.ciiva.com/1138/1781794-1138868.pdf?src-supplier=Element14, ComponentLink4Description=https://datasheet.ciiva.com/26033/cdcm61004-26033080.pdf?src-supplier=Avnet+Europe, ComponentLink4URL=https://datasheet.ciiva.com/26033/cdcm61004-26033080.pdf?src-supplier=Avnet+Europe, ComponentLink5Description=https://datasheet.ciiva.com/14247/cdcm61004-14247241.pdf?src-supplier=Avnet, ComponentLink5URL=https://datasheet.ciiva.com/14247/cdcm61004-14247241.pdf?src-supplier=Avnet, ComponentLink6Description=https://datasheet.ciiva.com/46396/1781794-46396315.pdf?src-supplier=Element14, ComponentLink6URL=https://datasheet.ciiva.com/46396/1781794-46396315.pdf?src-supplier=Element14, ComponentLink7Description=https://datasheet.ciiva.com/1141/cdcm61004-1141260.pdf?src-supplier=Farnell, ComponentLink7URL=https://datasheet.ciiva.com/1141/cdcm61004-1141260.pdf?src-supplier=Farnell, ComponentLink8Description=https://datasheet.ciiva.com/15153/getdatasheetpartid-226426-15153388.pdf?src-supplier=Verical, ComponentLink8URL=https://datasheet.ciiva.com/15153/getdatasheetpartid-226426-15153388.pdf?src-supplier=Verical, ComponentLink9Description=https://datasheet.ciiva.com/46433/1781794-46433420.pdf?src-supplier=Element14, ComponentLink9URL=https://datasheet.ciiva.com/46433/1781794-46433420.pdf?src-supplier=Element14, ComponentLink10Description=https://datasheet.ciiva.com/1200/cdcm61004-1200223.pdf?src-supplier=Digi-Key, ComponentLink10URL=https://datasheet.ciiva.com/1200/cdcm61004-1200223.pdf?src-supplier=Digi-Key, Contact Plating=Gold, Height=0.8mm, Input=Crystal, Lead Free="Lead Free", Length=5mm, Mount="Surface Mount", Number of Circuits=1, Number of Elements=1, Number of Outputs=4, Number of Pins=32, Packaging="Tape and Reel", Part Description="Clock Generator IC 683.27MHz 32-VFQFN Exposed Pad", Pricing 1="1=9,06000, 10=8,18800, 25=7,80760, 100=6,77930 (USD)", Radiation Hardening=No, REACH SVHC="No SVHC", RoHS=Yes, RoHS Compliant=Yes, Stock 1=1415, Supplier 1=Digi-Key, Termination=SMD/SMT, Weight=0.002547oz, Width=5mm
IC60: library part LP5951_LDO, Case/Package=SOT-23, Dropout Voltage=200mV, Manufacturer="TI National Semiconductor", Manufacturer Part Number 1=LP5951MF-3.0/NOPB, Max Input Voltage=5.5V, Max Operating Temperature=125°C, Max Output Current=150mA, Max Output Voltage=3.7V, Min Input Voltage=1.8V, Min Operating Temperature=-40°C, Min Output Voltage=1.3V, Nominal Output Voltage=3V, Output Voltage Accuracy=2%, Package Quantity=1000, Quiescent Current=55uA, Supplier Part Number 1=LP5951MF-3.0/NOPBCT-ND, Accuracy=2%, Assembly Info=NF, ComponentLink1Description=https://datasheet.ciiva.com/15111/getdatasheetpartid-86470-15111508.pdf?src-supplier=Verical, ComponentLink1URL=https://datasheet.ciiva.com/15111/getdatasheetpartid-86470-15111508.pdf?src-supplier=Verical, ComponentLink2Description=https://datasheet.ciiva.com/6598/lp5951-6598089.pdf?src-supplier=Digi-Key, ComponentLink2URL=https://datasheet.ciiva.com/6598/lp5951-6598089.pdf?src-supplier=Digi-Key, ComponentLink3Description=https://datasheet.ciiva.com/6598/lp5951-6598090.pdf?src-supplier=Digi-Key, ComponentLink3URL=https://datasheet.ciiva.com/6598/lp5951-6598090.pdf?src-supplier=Digi-Key, ComponentLink4Description=https://datasheet.ciiva.com/6598/lp5951-6598091.pdf?src-supplier=Digi-Key, ComponentLink4URL=https://datasheet.ciiva.com/6598/lp5951-6598091.pdf?src-supplier=Digi-Key, ComponentLink5Description=https://datasheet.ciiva.com/48777/1772311-48777743.pdf?src-supplier=Element14, ComponentLink5URL=https://datasheet.ciiva.com/48777/1772311-48777743.pdf?src-supplier=Element14, Height=1.02mm, Lead Free="Lead Free", Length=2.92mm, Max Supply Voltage=5.5V, Min Supply Voltage=1.8V, Mount="Surface Mount", Number of Outputs=1, Number of Pins=5, Output Current=150mA, Output Type=Fixed,Adjustable, Output Voltage=3V, Packaging="Tape and Reel", Part Description="Linear Voltage Regulator IC Output 150mA SOT-23-5", Polarity=Positive, Pricing 1="1=0,80000, 10=0,70000, 25=0,65720, 100=0,53640, 250=0,49820, 500=0,42400 (USD)", Radiation Hardening=No, REACH SVHC="No SVHC", RoHS=Yes, RoHS Compliant=Yes, Stock 1=8756, Supplier 1=Digi-Key, Termination=SMD/SMT, Width=1.6mm
IC62 IC66: Frequency - Max=200MHz, Manufacturer="Texas Instruments", Manufacturer Part Number 1=LMK00101SQE/NOPB, Operating Temperature="-40°C ~ 85°C", Package / Case="32-WFQFN Exposed Pad", Supplier Device Package="32-WQFN (5x5)", Supplier Part Number 1=296-39036-1-ND, Voltage - Supply="2.375 V ~ 3.45 V", Category="Integrated Circuits (ICs)", Differential - Input:Output=Yes/No, Input="HCSL, LVCMOS, LVDS, LVPECL, LVTTL, SSTL, Crystal", Mounting Type="Surface Mount", Number of Circuits=1, Output="LVCMOS, LVTTL", Packaging="Cut Tape (CT)", Part Description="Clock Fanout Buffer (Distribution), Multiplexer, Translator IC 200MHz 32-WFQFN Exposed Pad", Ratio - Input:Output=3:10, RoHS="RoHS Compliant", Supplier 1=Digi-Key, Type="Fanout Buffer (Distribution), Multiplexer, Translator"
IC63: library part LP5907, Case/Package=SOT-23-5, Dropout Voltage=50mV, Manufacturer="Texas Instruments", Manufacturer Part Number 1=LP5907QMFX-3.0Q1, Max Input Voltage=5.5V, Max Operating Temperature=125°C, Max Output Current=250mA, Min Input Voltage=2.2V, Min Operating Temperature=-40°C, Output Voltage=3V, Quiescent Current=425uA, Supplier Part Number 1=296-40364-1-ND, Accuracy=2%, Assembly Info=NF, ComponentLink1Description=https://datasheet.ciiva.com/48677/lp5907-q1-48677562.pdf?src-supplier=Avnet, ComponentLink1URL=https://datasheet.ciiva.com/48677/lp5907-q1-48677562.pdf?src-supplier=Avnet, Lead Free="Lead Free", Mount="Surface Mount", Number of Outputs=1, Number of Regulators=1, Output Current=250mA, Output Type=Fixed, Packaging="Tape and Reel", Part Description="Linear Voltage Regulator IC Positive Fixed 1 Output  250mA SOT-23-5", Polarity=Positive, Pricing 1="1 = 0,65000, 10 = 0,56000, 100 = 0,41820, 500 = 0,32858, 1000 = 0,25390 (USD)", Radiation Hardening=No, RoHS=Yes, Stock 1=90911, Supplier 1=Digi-Key
IC64: Manufacturer="Analog Devices Inc", Manufacturer Part Number 1=ADF4002BCPZ-RL7, Operating Temperature="-40°C ~ 85°C", Package / Case="20-VFQFN Exposed Pad, CSP", Supplier Part Number 1=ADF4002BCPZ-RL7CT-ND, Voltage - Supply="2.7 V ~ 3.3 V", Category="Integrated Circuits (ICs)", Differential - Input:Output=Yes/No, Input="CMOS, TTL", Mounting Type="Surface Mount", Part Description="IC PLL FREQUENCY SYNTH 20-LFCSP", Ratio - Input:Output=2:1, Supplier=Digi-Key, Supplier 1=Digi-Key, Type="Clock/Frequency Synthesizer (RF), Phase Detector"
IC67: Case/Package=VQFN, Manufacturer="Texas Instruments", Max Frequency=800MHz, Max Operating Temperature=85°C, Min Operating Temperature=-40°C, Supplier Part Number 1=296-51011-1-ND, ComponentLink1Description=http://www.ti.com/lit/ds/symlink/cdcm6208v2g.pdf?src-supplier=Digi-Key, ComponentLink1URL=http://www.ti.com/lit/ds/symlink/cdcm6208v2g.pdf?src-supplier=Digi-Key, ComponentLink2Description=http://www.ti.com/lit/gpn/cdcm6208v2g?src-supplier=Mouser, ComponentLink2URL=http://www.ti.com/lit/gpn/cdcm6208v2g?src-supplier=Mouser, Input=Crystal, Lead Free="Lead Free", Manufacturer Part Number 1=CDCM6208V2GRGZR, Mount="Surface Mount", Number of Circuits=1, Number of Outputs=8, Packaging="Tape and Reel", Part Description="IC CLK GEN 2:8 LOW JITTER 48VQFN", Pricing 1="1 = 11,22000, 10 = 10,13400, 100 = 8,38960, 500 = 7,30558, 1000 = 6,36293 (USD)", RoHS=Yes, Stock 1=1501, Supplier 1=Digi-Key